# Altium PCB PWR12B15A.PcbDoc
Units mm, origin at the board's own origin, x right, y up, seen from the top; angles counter-clockwise.
Board outline 102.74 x 130.94 mm, 2 copper layers (Top Layer, Bottom Layer); 90 components, 54 nets, 224 pads, 10 vias.
Unrouted connection lines stored in the file: 5.
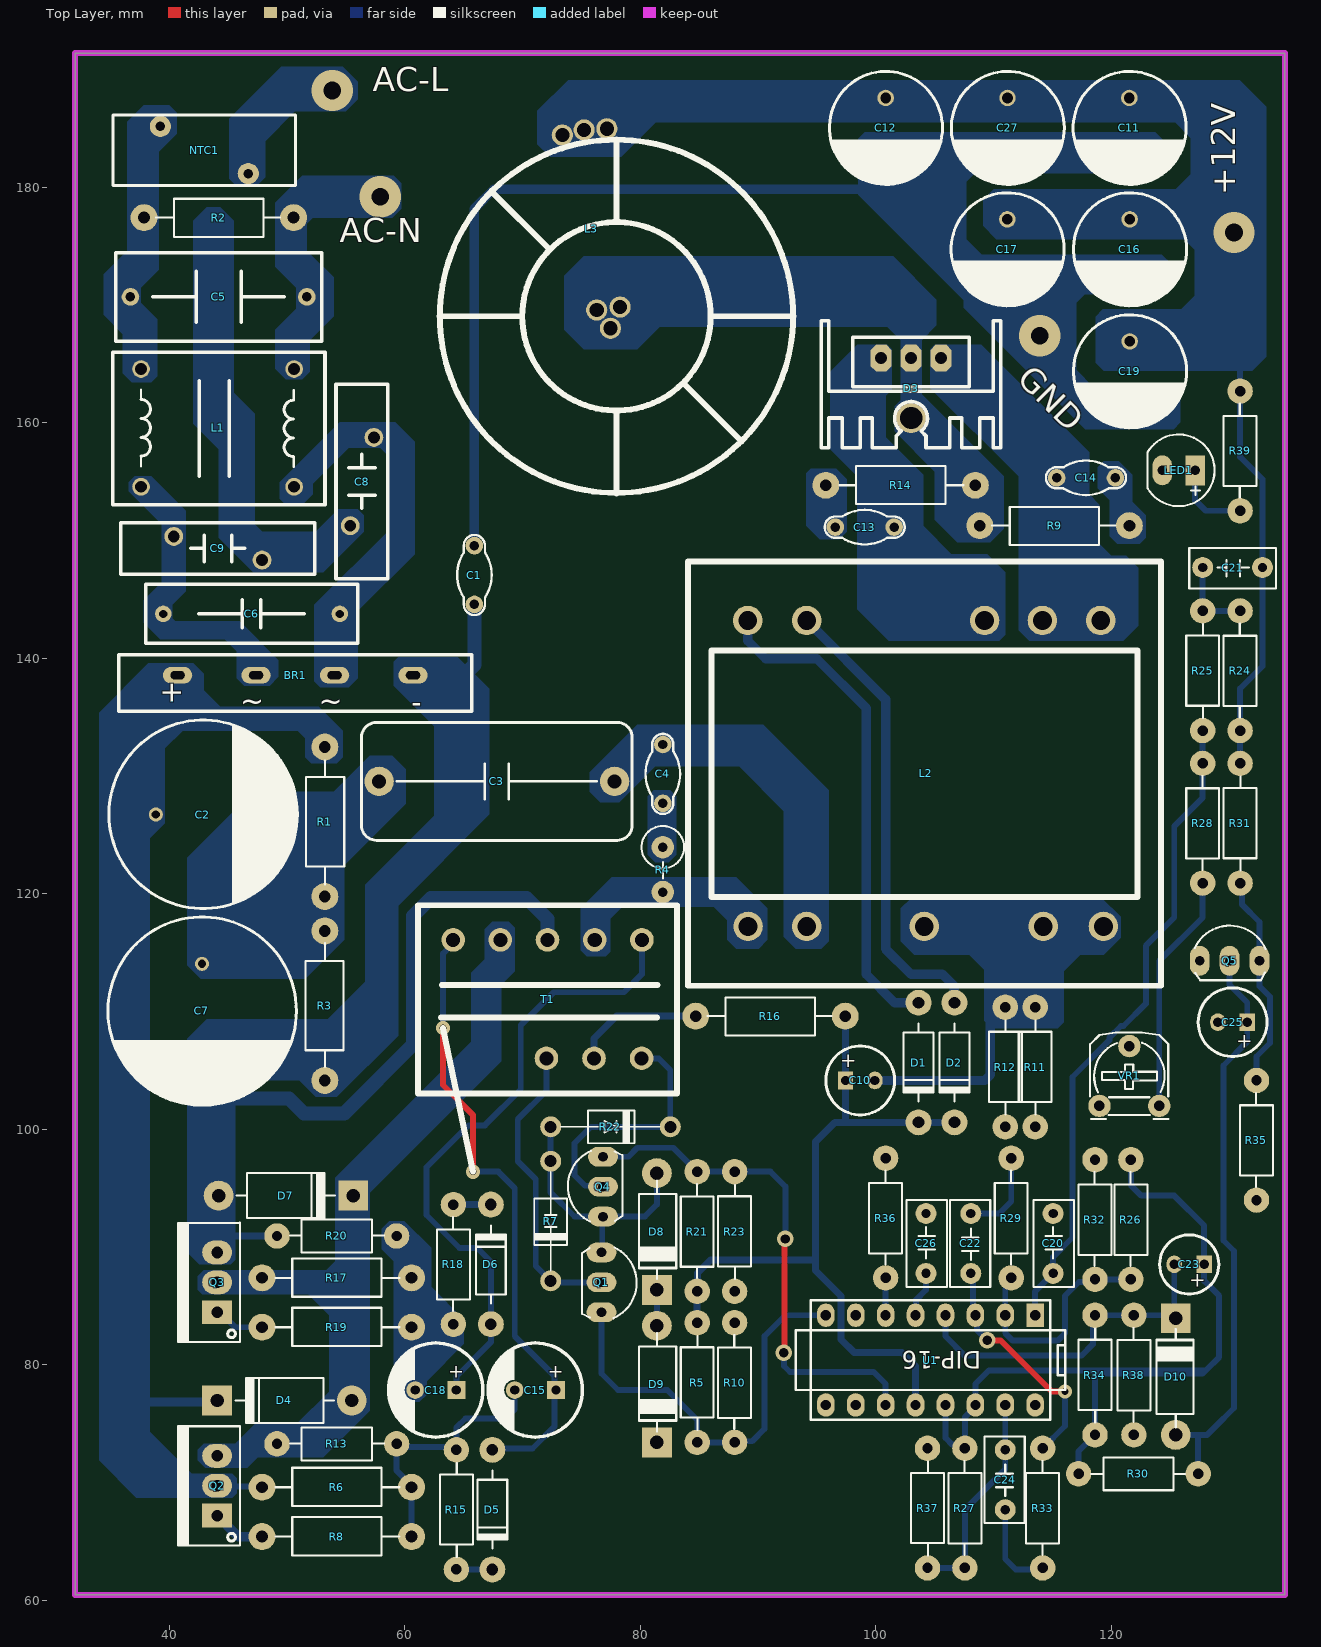
[diagram p0: Top Layer view]
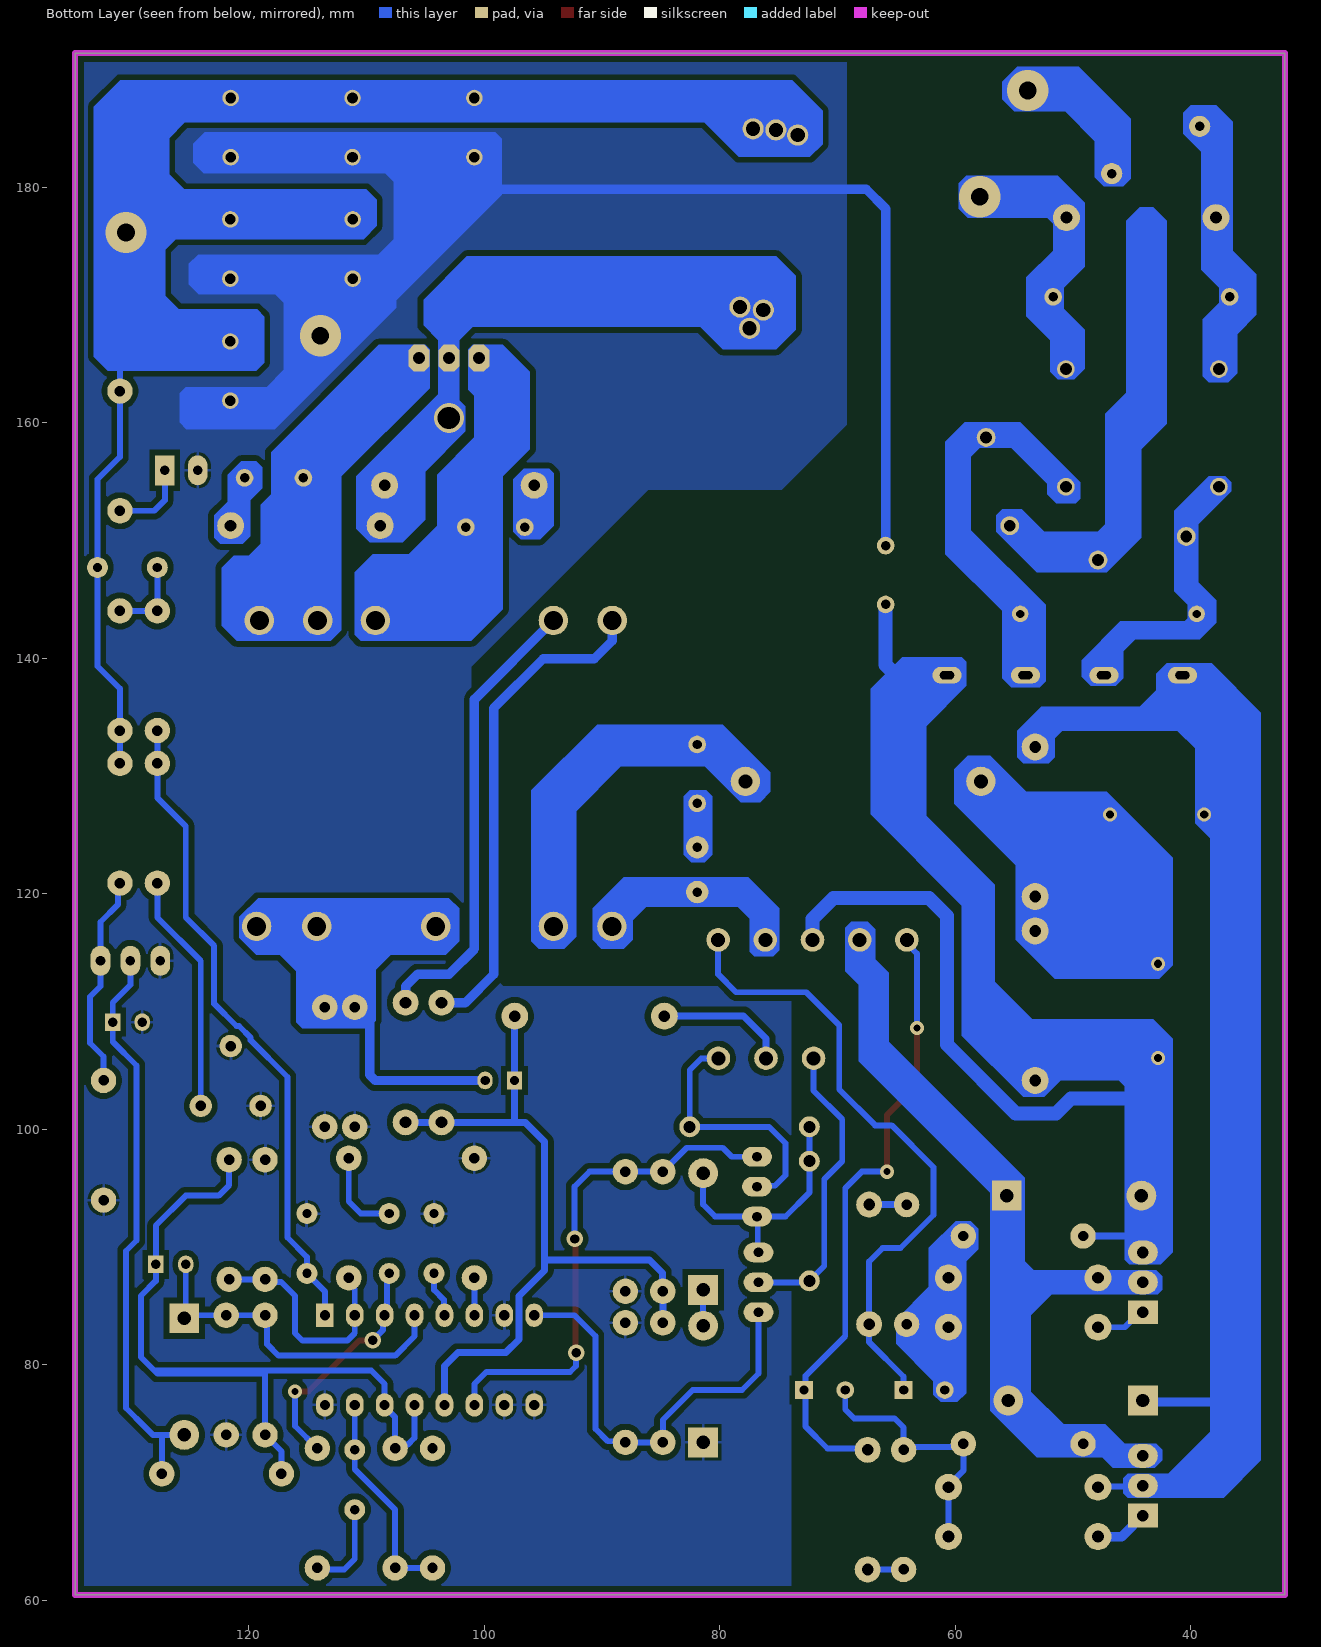
[diagram p1: Bottom Layer view, seen from below]
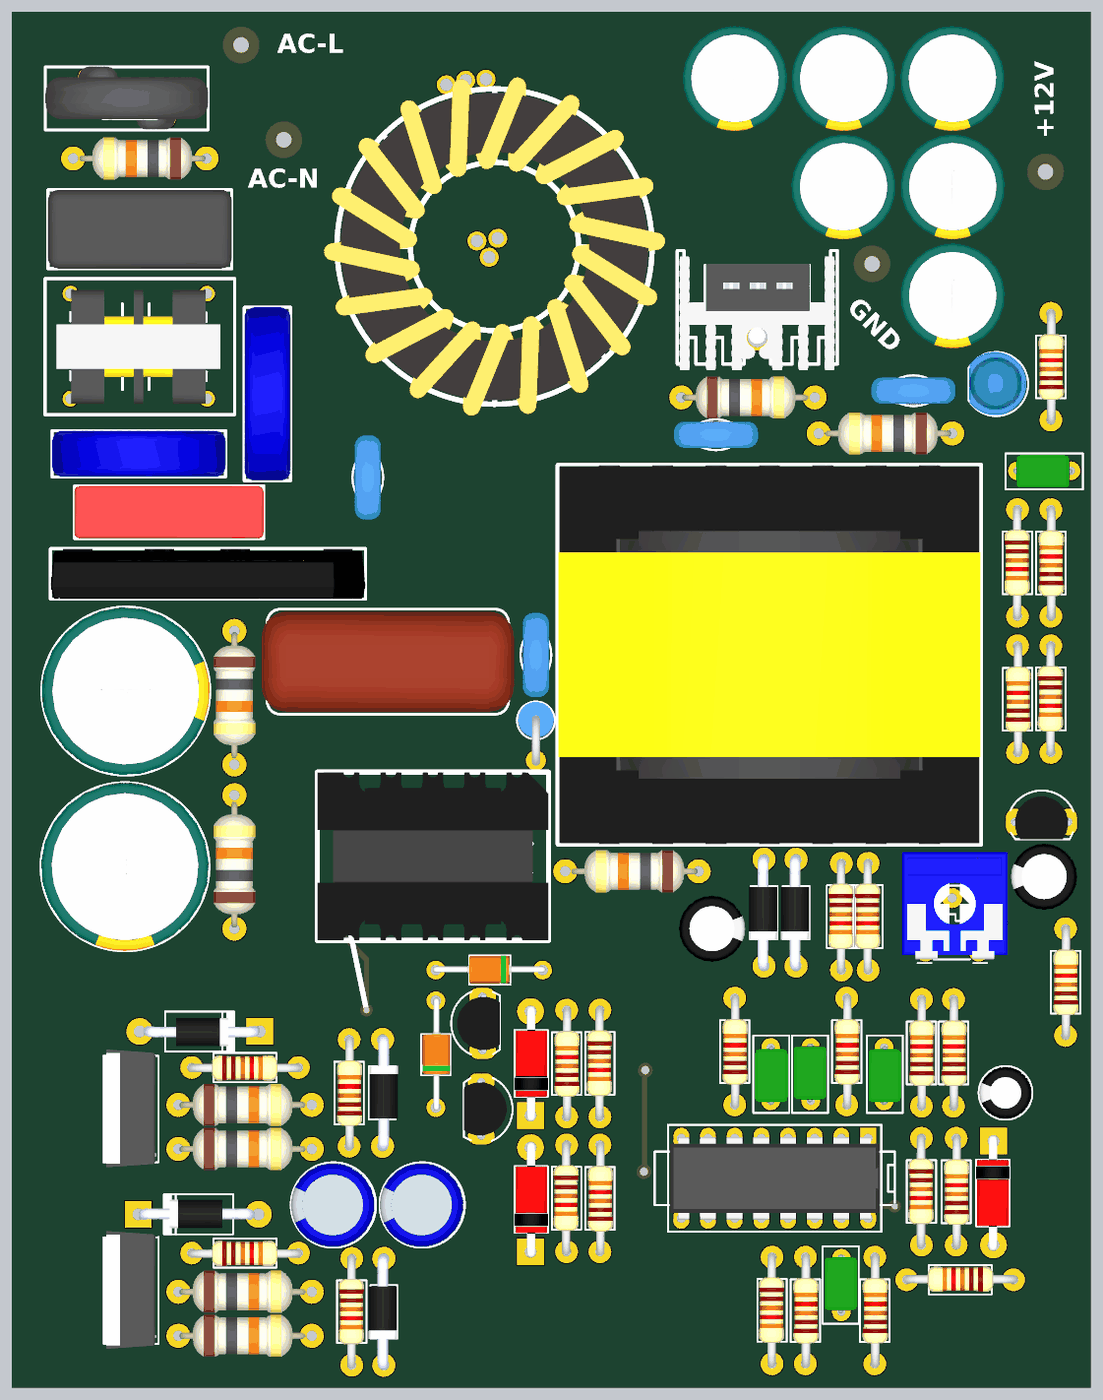
[diagram p2: 3D render of the assembled board from above, using the file's embedded part models]

## Layer stack, top to bottom
Top Solder: solder mask 0.0102, Solder Resist, Dk 3.5
Top Layer: signal copper 0.0356
Dielectric 1: dielectric 0.32, FR-4, Dk 4.8
Bottom Layer: signal copper 0.0356
Bottom Solder: solder mask 0.0102, Solder Resist, Dk 3.5

## Board outline
32.004,60.452 32.004,191.389 134.747,191.389 134.747,60.452

## Design rules (kind name [scope] priority, off if disabled: settings)
Clearance [All] p1: gap=0.5 ignorepadtopadclearanceinfootprint=FALSE
PolygonConnect [All] p1: connectstyle=Relief reliefconductorwidth=0.254 reliefentries=4 polygonreliefangle="90 Angle" airgapwidth=0.254
RoutingVias [All] p1: holewidth=0.711 width=1.27 viastyle="Through Hole" minholewidth=0.711 minwidth=1.27 maxholewidth=0.711 maxwidth=1.27
SolderMaskExpansion [All] p1: expansion=0.102 istentingtop=FALSE
Width [All] p1: maxlimit=1.8 minlimit=0.254 preferedwidth=0.254
30 further rules are at their usual default settings.

## Components (designator, comment, footprint, x,y, rotation, side; value= is the part's Value field where it differs from the comment)
BR1 "KBJ410" KDJ410 35.706,140.297 r90 top
C1 "103/1kV" JY103M_2KV 65.913,147.066 r90 top
C2 "220uF/250V" CAP-8MM 42.799,126.746 r0 top
C3 "105J/400V" CAP-POLY-22mm 67.818,129.54 r0 top
C4 "102/1kV" JY103M_2KV 81.915,130.175 r270 top
C5 "X2 0.22uF" "X2 0.22UF" 44.577,170.688 r270 top
C6 "X2 0.1uF" "X2 0.1UF" 46.99,143.764 r270 top
C7 "220uF/250V" CAP-8MM 42.799,110.109 r270 top
C8 "JNC222" MOV-14D 56.359,155.014 r90 top
C9 "JNC222" MOV-14D 44.122,149.323 r180 top
C10 "47uf/50V" C6mm 98.679,104.14 r0 top value=?
C11 "1000uF/16V" CAP-5MM 121.107,184.683 r270 top
C12 "1000uF/16V" CAP-5MM 100.406,184.683 r270 top
C13 "102/1kV" JY103M_2KV 99.06,151.13 r0 top
C14 "102/1kV" JY103M_2KV 117.856,155.321 r180 top
C15 "4.7uF/63V" CA-ALU-8R 71.092,77.851 r180 top value=104
C16 "1000uF/16V" CAP-5MM 121.133,174.371 r270 top
C17 "1000uF/16V" CAP-5MM 110.744,174.371 r270 top
C18 "4.7uF/63V" CA-ALU-8R 62.639,77.851 r180 top value=104
C19 "1000uF/16V" CAP-5MM 121.133,164.008 r270 top
C20 "2A222J" CN2-G 115.189,90.297 r270 top value=33pF
C21 "2A333J" CN2-G 130.302,147.574 r180 top value=33pF
C22 "2A103J" CN2-G 107.95,90.297 r90 top value=33pF
C23 "1uF/63V" C5mm 126.619,88.519 r180 top value=?
C24 "2A103J" CN2-G 110.871,70.231 r90 top value=33pF
C25 "47uf/50V" C6mm 130.302,109.093 r180 top value=?
C26 "2A102J" CN2-G 104.394,90.297 r270 top value=33pF
C27 "1000uF/16V" CAP-5MM 110.757,184.683 r270 top
D1 "FR107" DO41-1A 103.632,110.744 r90 top value=1N4007
D2 "FR107" DO41-1A 106.68,110.744 r90 top value=1N4007
D3 "MBR30100" QTO-220H3 105.537,165.481 r180 top
D4 "FR157" D2A 44.069,76.962 r0 top
D5 "1N4007" DO41-1A 67.437,72.771 r90 top
D6 "1N4007" DO41-1A 67.31,83.439 r270 top
D7 "FR157" D2A 55.626,94.361 r180 top
D8 "1N4148" DIO-2A 81.407,85.725 r90 top value=1N5007
D9 "1N4148" DIO-2A 81.407,72.771 r90 top value=1N5007
D10 "1N4148" DIO-2A 125.476,84.582 r270 top value=1N5007
L1 "INDUC-FILT" LF 43.955,159.131 r0 top
L2 "EE40" TRANSFOMER 104.191,130.48 r90 top
L3 "INDUC-FIL_DC" INDUCFIL_DC 77.876,169.037 r90 top
LED1 "LED" LED-5-BLUE 125.73,155.956 r180 top value="LED 3 ly Single Colour"
NTC1 "5D13" XD-13 42.926,183.134 r270 top
Q1 "C2633" TO92-123 76.708,86.995 r270 top value=C1815
Q2 "13009" QTO-220 44.069,67.183 r90 top value=TIP41
Q3 "13009" QTO-220 44.069,84.455 r90 top value=TIP41
Q4 "C2633" TO92-123 76.835,95.123 r90 top value=C1815
Q5 "C1815" TO92-123 130.048,114.3 r0 top
R1 "150K" R1W 53.213,132.461 r270 top value="R1W - 100"
R2 "820K" R1W 50.559,177.419 r180 top value="R1W - 100"
R3 "150K" R1W 53.213,104.14 r90 top value="R1W - 100"
R4 "100R" RES-1WD 81.915,122.301 r270 top value="R2W - 47"
R5 "3.9K" R1/2W 84.836,73.406 r90 top value="R1/4W - 1K"
R6 "300K" R1W 47.879,69.596 r0 top value="R1W - 100"
R7 "ZENNER" DIO-1A 72.39,97.282 r270 top
R8 "2.2R" R1W 47.879,65.405 r0 top value="R1W - 100"
R9 "100R" R1W 121.539,151.257 r180 top value="R1W - 100"
R10 "1.5K" R1/2W 88.011,83.566 r270 top value="R1/4W - 1K"
R11 "0.01R" R1/2W 113.538,100.203 r90 top value="R1/4W - 1K"
R12 "0.01R" R1/2W 110.998,100.203 r90 top value="R1/4W - 1K"
R13 "3.9K" R1/2W 59.309,73.279 r180 top value="R1/4W - 1K"
R14 "100R" R1W 95.758,154.686 r0 top value="R1W - 100"
R15 "15R" R1/2W 64.389,62.611 r90 top value="R1/4W - 1K"
R16 "1.5K" R1W 97.409,109.601 r180 top value="R1W - 100"
R17 "300K" R1W 47.879,87.376 r0 top value="R1W - 100"
R18 "15R" R1/2W 64.135,93.599 r270 top value="R1/4W - 1K"
R19 "2.2R" R1W 47.879,83.185 r0 top value="R1W - 100"
R20 "3.9K" R1/2W 59.309,90.932 r180 top value="R1/4W - 1K"
R21 "3.9K" R1/2W 84.836,96.393 r270 top value="R1/4W - 1K"
R22 "ZENNER" DIO-1A 72.39,100.203 r0 top
R23 "1.5K" R1/2W 88.011,86.233 r90 top value="R1/4W - 1K"
R24 "9.1K" R1/2W 130.937,144.018 r270 top value="R1/4W - 1K"
R25 "680R" R1/2W 127.762,133.858 r90 top value="R1/4W - 1K"
R26 "5.6K" R1/2W 121.666,97.409 r270 top value="R1/4W - 1K"
R27 "100K" R1/2W 107.569,72.898 r270 top value="R1/4W - 1K"
R28 "2.2K" R1/2W 127.762,131.064 r270 top value="R1/4W - 1K"
R29 "47K" R1/2W 111.506,97.536 r270 top value="R1/4W - 1K"
R30 "5.6K" R1/2W 117.221,70.739 r0 top value="R1/4W - 1K"
R31 "6.8K" R1/2W 130.937,120.904 r90 top value="R1/4W - 1K"
R32 "5.6K" R1/2W 118.618,97.409 r270 top value="R1/4W - 1K"
R33 "10K" R1/2W 114.173,72.898 r270 top value="R1/4W - 1K"
R34 "100K" R1/2W 118.618,74.041 r90 top value="R1/4W - 1K"
R35 "1.5K" R1/2W 132.334,104.14 r270 top value="R1/4W - 1K"
R36 "22K" R1/2W 100.838,97.536 r270 top value="R1/4W - 1K"
R37 "1.2K" R1/2W 104.394,62.738 r90 top value="R1/4W - 1K"
R38 "12K" R1/2W 121.92,84.201 r270 top value="R1/4W - 1K"
R39 "2.2K" R1/2W 130.937,162.687 r270 top value="R1/4W - 1K"
T1 "ISOLATE" TRANFOMER_ISOLATE 73.787,113.919 r90 top
U1 "TL494CJ" DIP16 104.641,80.389 r180 top
VR1 "1K" VR 118.999,101.981 r0 top value="VR 10K"

## Footprints (in the part's own frame and the unit in brackets; to place one, negate y for a bottom-side part, rotate by r counter-clockwise, add the part's x,y. Pads: shape width x height; smd on the part's side, far side on the other; paste and mask are expansions set on the pad)
C5mm [mm]
  rect 1.3x1.5 hole 0.8: 1(-1.27,0)
  oval 1.3x1.5 hole 0.8: 2(1.27,0)
  silkscreen extent -2.51,-2.51 2.51,2.51, body extent -2.5,-2.5 2.49,2.5, height 11.01
C6mm [mm]
  rect 1.3x1.5 hole 0.8: 1(-1.25,0)
  oval 1.3x1.5 hole 0.8: 2(1.25,0)
  silkscreen extent -2.92,-2.92 2.92,2.92, body extent -3.15,-3.15 3.13,3.15, height 11.51
CA-ALU-8R [mm] "Polarized capacitors, Aluminum Electrolytic Capacitors, 2-Leads, Body 8x16x3.5x0.5"
  rect 1.5x1.5 hole 0.8: 1(-1.75,0)
  round 1.5 hole 0.8: 2(1.75,0)
  silkscreen extent -4,-4 4,4, body extent -3.94,-4 4.05,4, height 16.5
CAP-5MM [mm]
  round 1.4 hole 0.9: 1(-2.896,0.432) 2(2.134,0.432)
  silkscreen extent -5.15,-4.34 4.44,5.26, body extent -5.36,-4.54 4.64,5.46, height 16.5
CAP-8MM [mm]
  round 1.2 hole 0.7: 1(-3.937,-0.025) 2(4.064,-0.025)
  silkscreen extent -7.92,-8 8.08,8, body extent -7.92,-8 8.08,8, height 26.5
CAP-POLY-22mm [mm]
  round 2.5 hole 1.2: 1(-10,0) 2(10,0)
  silkscreen extent -11.5,-5 11.5,5, body extent -12,-4.75 12,4.76, height 17.5
CN2-G [mil]
  round 70 hole 31: 1(-100,-5) 2(100,-5)
  silkscreen extent -145,-70 145,65, body extent -105,-65 115,60, height 300
D2A [mil] "Diode 2A, W 150mil, L 450mil"
  round 100 hole 45: 1(450,0)
  rect 100x100 hole 45: 2(0,0)
  silkscreen extent 61,-75 391,75, body extent 2,-51 436,55, height 109
DIO-1A [mil]
  round 70 hole 40: 1(0,0) 2(400,0)
  silkscreen extent 35,-55 365,55, body extent -11,-50 411,54, height 102
DIO-2A [mil] "Diode 2A, W 150mil, L 450mil"
  round 100 hole 45: 1(415,0)
  rect 100x100 hole 45: 2(25,0)
  silkscreen extent 61,-65 391,60, body extent 4,-65 436,61, height 113
DIP16 [mm]
  rect 1.5x2 hole 0.864: 1(-8.897,-3.812)
  oval 1.5x2 hole 0.864: 2(-6.357,-3.812) 3(-3.817,-3.812) 4(-1.277,-3.812) 5(1.263,-3.812) 6(3.803,-3.812) 7(6.343,-3.812) 8(8.883,-3.812) 9(8.883,3.808) 10(6.343,3.808) 11(3.803,3.808) 12(1.263,3.808) 13(-1.277,3.808) 14(-3.817,3.808) 15(-6.357,3.808) 16(-8.897,3.808)
  silkscreen extent -11.44,-5.08 11.42,5.08, body extent -10,-3.93 10,3.94, height 1.99
DO41-1A [mm] "Diode 1A, W 100mil, L 350mil"
  round 2.2 hole 1: 1(0,0) 2(-10.16,0)
  silkscreen extent -8.38,-1.27 -1.78,1.27, body extent -10.59,-1.24 0.43,1.46, height 3.28
INDUCFIL_DC [mm]
  round 1.8 hole 1.2: 1(-1.016,0.406) 2(0.533,1.575) 3(0.787,-0.406) 4(15.392,4.496) 5(15.824,2.642) 6(15.926,0.711)
  silkscreen extent -15.04,-15.14 15.04,14.94, body extent -16.09,-16.34 16.09,16.13, height 16.5
JY103M_2KV [mm]
  round 1.5 hole 0.8: 1(-2.5,0) 2(2.5,0)
  silkscreen extent -3.4,-1.47 3.4,1.47, body extent -4,-1.25 4,1.26, height 10.35
KDJ410 [mm]
  oval 1.4x2.5 hole 1.2 slot 0.7 at 0 deg: 1(-1.74,-5) 2(-1.74,-11.665) 3(-1.74,-18.33) 4(-1.74,-24.996)
  silkscreen extent -4.8,-30 0,0, body extent -4.8,-30 0,0, height 26.25
LED-5-BLUE [mil] "LED 2 PIN, 5 ly , Only colour, pin to pin 110mil"
  rect 65x100 hole 32: 1(-55,0)
  oval 65x100 hole 32: 2(55,0)
  silkscreen extent -120,-120 104,120, body extent -113,-120 100,117, height 339
LF [mm]
  round 1.5 hole 1: 1(-6.35,5.428) 2(-6.35,-4.572) 3(6.65,5.428) 4(6.65,-4.572)
  silkscreen extent -8.76,-6.1 9.27,6.86, body extent -7.67,-5.02 7.93,5.78, height 14.75
MOV-14D [mm]
  round 1.6 hole 1: 1(-3.757,0.987) 2(3.736,-1.019)
  silkscreen extent -8.25,-2.2 8.25,2.2, body extent -8.25,-2.2 8.25,2.2, height 20
QTO-220 [mil] "TO-220 - 1-2-3"
  rect 80x100 hole 39: 1(0,0)
  oval 80x100 hole 39: 2(100,0) 3(200,0)
  silkscreen extent -100,-76 300,130, body extent -119,-64 322,121, height 755
QTO-220H3 [mil] "TO-220 1-2-3"
  oct 70x90 hole 40: 1(0,0) 2(100,0) 3(200,0)
  round 100 hole 75: 2(100,200)
  silkscreen extent -200,-125 400,300, body extent -190,-102 392,323, height 984
R1/2W [mil] "R 1/2W, 2 pin, 300mil"
  round 85 hole 35: 1(0,0) 2(400,0)
  silkscreen extent 42,-55 356,55, body extent -12,-45 414,49, height 91
R1W [mil] "R 1W, 2 pin, 500mil"
  round 90 hole 39.37: 1(0,0) 2(500,0)
  silkscreen extent 46,-63 460,65, body extent 4,-79 478,79, height 157
RES-1WD [mm]
  round 1.905 hole 0.8: 1(-1.651,0) 2(2.159,0)
  silkscreen extent -3.45,-1.8 1.02,1.8, body extent -3.43,-1.7 2.67,1.7, height 12.65
TO92-123 [mil] "TO-92"
  oval 66x100 hole 32: 1(-100,0) 2(0,0) 3(100,0)
  silkscreen extent -117,-65 120,118, body extent -109,-66 109,95, height 245
TRANFOMER_ISOLATE [mm]
  round 2 hole 1.2: 1(-7.899,1.753) 2(-7.899,-2.286) 3(-7.899,-6.325) 4(2.159,-6.35) 5(2.159,-2.343) 6(2.159,1.664) 7(2.159,5.671) 8(2.159,9.677)
  silkscreen extent -10.9,-9.32 5.1,12.68, body extent -10.9,-9.32 5.1,12.68, height 17
TRANSFOMER [mm]
  round 2.5 hole 1.6: 1(-13.259,15.037) 2(-13.259,10.058) 3(-13.259,0.076) 4(-13.259,-10.033) 5(-13.259,-15.138) 6(12.725,-14.91) 7(12.725,-9.957) 8(12.725,-5.055) 9(12.725,10.058) 10(12.725,15.062)
  silkscreen extent -18.3,-20.05 17.74,20.15, body extent -18.3,-20.05 17.74,20.15, height 32.94
VR [mil] "Resistor Variable"
  round 75 hole 35: 1(0,0) 2(100,200) 3(200,0)
  silkscreen extent -31,-44 231,246, body extent -87,-30 307,372, height 165
"X2 0.1UF" [mm]
  round 1.4 hole 0.7: 1(0,7.493) 2(0,-7.493)
  silkscreen extent -2.5,-9 2.5,9, body extent -2.5,-9 2.5,9, height 11
"X2 0.22UF" [mm]
  round 1.5 hole 0.8: 1(0,7.112) 2(0,-7.874)
  silkscreen extent -3.75,-9.12 3.75,8.38, body extent -3.75,-9.12 3.75,8.38, height 14
XD-13 [mm]
  round 1.8 hole 0.8: 1(1.981,3.785) 2(-2.032,-3.683)
  silkscreen extent -3,-7.72 3,7.78, body extent -3.03,-7.7 2.97,7.8, height 20.5

## Part data
BR1: library part DIODE-BRIDGE
C1 C4 C13 C14: library part CAP, "Cap often used"
C2 C7 C11 C12 C16 C17 C19 C27: library part CAP-ELEC
C3: library part CAP-POLY, "CAP-POLY"
C5 C6: library part CAP_MKP
C8 C9: library part MOV
C10 C23 C25: library part CAP-Radial, "CAP-Radial", LatestRevisionDate=17-Jul-2002, LatestRevisionNote="Re-released for DXP Platform.", PackageReference=POLAR0.8, Published=8-Jun-2000, Publisher="Altium Limited"
C15 C18: library part CAP-ALU-DIP, "CAP-ALU-DIP", LatestRevisionDate=17-Jul-2002, LatestRevisionNote="Re-released for DXP Platform.", PackageReference=C1206, Publisher="Altium Limited"
C20 C21 C22 C24 C26: library part CAP-gom, "CAP-gom"
D1 D2 D5 D6: library part "Diode  1N4007", "Diode 1A"
D3: library part MBRF20200C, "DIODE Schottky Barrier / Power / RECTIFIERS / 20 AMPERES / 200 VOLTS"
D4 D7: library part "Diode Normal", "Diode Normal", Code_JEDEC=DO-204-AH, ComponentLink1Description="Manufacturer Link", ComponentLink1URL=http://www.fairchildsemi.com/, ComponentLink2Description=Datasheet, ComponentLink2URL=http://www.fairchildsemi.com/ds/1N%2F1N4448.pdf, DatasheetDocument=1997, LatestRevisionDate=17-Jul-2002, LatestRevisionNote="Re-released for DXP Platform.", PackageReference=DO-35, Published=8-Jun-2000, Publisher="Altium Limited"
D8 D9 D10: library part Diode, "Default Diode", Code - JEDEC=DO-214-AB, Published=8-Jun-2000, Publisher="Altium Limited", Revision="July-2002: Re-released for DXP Platform."
L2: library part TRANSFOMER
LED1: "LED Single colour Green and Red"
NTC1: library part NTC
Q1 Q4 Q5: library part 2SC1815, "NPN 600mW, ECB"
Q2 Q3: library part NPN_BCE, "P 1W, BCE"
R1 R2 R3 R6 R8 R9 R14 R16 R17 R19: library part R1W, "Resistor 1W"
R4: library part R2W, "Resistor 2W"
R5 R10 R11 R12 R13 R15 R18 R20 R21 R23 R24 R25 R26 R27 R28 R29 R30 R31 R32 R33 R34 R35 R36 R37 R38 R39: library part R1/4W, "Resistor 1/4W"
R7 R22: library part "DIODE Zener", "Zenner"
T1: library part TRANSFOMER-ISOLATE
U1: "Pulse-Width-Modulation Control Circuit", ComponentLink1Description="Manufacturer Link", ComponentLink1URL=http://www.ti.com/, DatasheetVersion=Oct-1988, LatestRevisionDate=06-Jun-2005, LatestRevisionNote="Stylized 3D Model Added.", PackageDescription="DIP; 16 Leads; Row Spacing 7.62 mm; Pitch 2.54 mm", PackageReference=J016, PackageVersion=Jun-1999, Published=15-Apr-2002, Publisher="Altium Limited"
VR1: library part VR, "Var Resistor"

## Via types
v1: diameter 3.5, hole 1.5, Top Layer to Bottom Layer, 4 vias
v2: diameter 1.2, hole 0.6, Top Layer to Bottom Layer, tented both sides, 3 vias
v3: diameter 1.4, hole 0.8, Top Layer to Bottom Layer, tented both sides, 3 vias

## Nets (pads, with @x,y where several pads share a name; then routed paths per layer and width w, separated by ;. In a path a pad name is that pad's centre, name@x,y a point inside that pad or via, vN(x,y) a via of type N, cw(c..) or ccw(c..) an arc to the next point about the centre after c; other vN are vias at no path point)
4_TL494: C25.1 D10.1 Q5.2 R30.2 | length 49
  Bottom Layer w0.5: D10.1 127.381,74.041 ; R30.2 127.381,74.041 ; Q5.2 130.048,112.268 131.552,110.764 C25.1 131.552,107.422 129.54,105.41 129.54,90.551 130.429,89.662 130.429,76.327 128.778,74.676 128.143,74.041 127.381,74.041
+12V: C11.1 C12.1 C16.1 C17.1 C19.1 C21.1 C27.1 L3.4 L3.5 L3.6 R24.2 R31.2 R39.1 | length 36.2
  Bottom Layer w0.5: R31.2 R24.2 130.937,137.414 132.842,139.319 C21.1 132.842,155.194 130.937,157.099 R39.1 130.937,165.636
  other v1: 130.429,176.149
+310V: BR1.1 C2.1 D4.2 Q2.2 R1.1 R6.1 | length 11.8
  Bottom Layer w0.5: Q2.2 44.133,69.659 47.816,69.659 R6.1
  Bottom Layer w0.8: 36.195,76.835 43.942,76.835 D4.2
AC-L: NTC1.1
  other v1: 53.848,188.214
AC-N: C5.1 L1.3 R2.1
  other v1: 57.912,179.197
EARTH: C8.1 C9.1
GND_IN: BR1.4 C1.1 C7.2 D7.1 Q3.3 R3.1 R20.2 T1.6 | length 58.4
  Bottom Layer w0.5: BR1.4 BR1.4@61.251,138.557
  Bottom Layer w0.6: Q3.3 45.466,90.932 R20.2
  Bottom Layer w1.2: 43.7,102.616 50.165,102.616 51.435,101.346 54.864,101.346 60.706,107.188 60.706,118.11 62.23,119.634 70.345,119.634 72.123,117.856 T1.6 ; 64.77,138.303 65.913,139.446 C1.1
GND_OUT: C1.2 C11.2 C12.2 C16.2 C17.2 C19.2 C20.1 C25.2 C26.1 C27.2 D9.2 LED1.2 Q5.1 R10.1 R11.1 R12.1 R23.1 R32.1 R35.2 R36.1 R38.2 U1.7 U1.9 U1.10 U1.16 VR1.1 VR1.2 | length 64.5
  Bottom Layer w0.8: C1.2 65.913,178.181 67.564,179.832 101.09,179.832
  other v1: 113.919,167.386
GND_PRI: C10.2 L2.3 L2.4 L2.5 R11.2 R12.2 R37.2 | length 16.3
  Bottom Layer w0.8: C10.2 109.259,104.14 109.728,104.609 109.728,109.093 R12.2
IN1+: C20.2 R25.1 R28.1 U1.1 | length 55.7
  Bottom Layer w0.5: U1.1 113.538,86.233 C20.2 115.062,89.154 116.713,90.805 116.713,104.431 119.837,107.554 119.837,107.766 120.834,108.763 121.046,108.763 122.936,110.654 122.936,115.57 125.349,117.983 125.349,125.73 127.762,128.143 R28.1 R25.1
NetBR1_2: BR1.2 C6.2 C9.2 L1.2
NetBR1_3: BR1.3 C6.1 C8.2 L1.4
NetC2_2: C2.2 C3.1 C7.1 R1.2 R3.2
NetC3_2: C3.2 C4.1 L2.2
NetC4_2: C4.2 R4.1
NetC5_2: C5.2 L1.1 NTC1.2 R2.2
NetC13_1: C13.1 R14.1
NetC13_2: C13.2 D3.3 L2.8
NetC14_1: C14.1 R9.1
NetC14_2: C14.2 D3.1 L2.6 L2.7
NetC15_1: C15.1 D5.1 T1.8 | length 53.1
  Top Layer w0.5: v2(63.246,108.585) 63.246,103.759 65.786,101.219 v2(65.786,96.393)
  Bottom Layer w0.5: v2(63.246,108.585) 63.246,114.908 64.11,115.772 T1.8 ; v2(65.786,96.393) 67.945,96.393 69.342,94.996 69.342,82.423 72.707,79.058 72.707,77.986 C15.1 72.707,77.716 72.707,74.739 70.849,72.881 67.547,72.881 D5.1
NetC15_2: C15.2 R6.2 R8.2 R13.1 R15.2 | length 22.8
  Bottom Layer w0.5: R8.2 R6.2 60.579,69.733 59.309,71.003 R13.1 59.563,73.025 64.135,73.025 R15.2 64.389,74.676 65.151,75.438 68.58,75.438 69.342,76.2 C15.2
NetC18_1: C18.1 D6.1 T1.4 | length 54.5
  Bottom Layer w0.5: C18.1 64.389,78.994 67.31,81.915 D6.1 67.31,88.773 66.167,89.916 64.643,89.916 61.849,92.71 61.849,96.774 65.405,100.33 66.802,100.33 69.85,103.378 69.85,108.839 72.644,111.633 78.613,111.633 80.137,113.157 T1.4
NetC18_2: C18.2 R17.2 R18.2 R19.2 R20.1
NetC21_2: C21.2 R24.1 R25.2 | length 6.9
  Bottom Layer w0.5: C21.2 R25.2 R24.1
NetC22_1: C22.1 R33.1 U1.3 | length 20.2
  Top Layer w0.5: v3(109.474,82.072) 110.587,82.072 114.935,77.724 v2(116.078,77.724)
  Bottom Layer w0.5: C22.1 108.267,87.566 U1.3@108.267,84.201 ; U1.3 108.587,84.072 108.587,82.959 v3(109.474,82.072) ; R33.1 116.078,74.803 v2(116.078,77.724)
NetC22_2: C22.2 R29.1 | length 7.5
  Bottom Layer w0.5: C22.2 110.49,92.837 111.506,93.853 R29.1
NetC23_1: C23.1 R26.1 R27.1 R30.1 R34.1 U1.13 U1.14 | length 72.4
  Bottom Layer w0.5: U1.13 105.918,73.787 106.49,73.215 107.252,73.215 R27.1 107.569,75.538 108.458,76.427 U1.14 108.458,78.359 109.601,79.502 128.016,79.502 ; R30.1 117.221,72.644 R34.1 118.618,79.248 127.762,79.248 128.016,79.502 ; R26.1 121.666,95.25 122.555,94.361 125.349,94.361 127.889,91.821 C23.1 127.889,87.122 129.159,85.852 129.159,80.645 128.016,79.502
NetC23_2: C23.2 D10.2 R34.2 R38.1 U1.4 | length 29.3
  Bottom Layer w0.5: U1.4 105.918,82.423 107.569,80.772 117.475,80.772 118.44,81.737 118.44,84.023 R34.2 R38.1 125.222,84.201 D10.2@125.349,84.074 ; C23.2 D10.2@125.349,84.074 ; D10.2 D10.2@125.349,84.074
NetC24_1: C24.1 R33.2 | length 7.8
  Bottom Layer w0.5: C24.1 110.998,63.5 111.887,62.611 114.046,62.611 R33.2
NetC24_2: C24.2 R27.2 R37.1 U1.15 | length 18.4
  Bottom Layer w0.5: R37.1 R27.2 107.569,67.691 110.998,71.12 U1.15
NetC26_2: C26.2 U1.5 | length 3.9
  Bottom Layer w0.5: U1.5 103.429,84.252 103.429,85.522 104.267,86.36 C26.2
NetD1_1: D1.1 L2.10 | length 42.4
  Bottom Layer w0.8: L2.10 89.129,141.478 90.653,139.954 94.996,139.954 99.187,135.763 99.187,113.157 101.6,110.744 D1.1 ; D1.1@104.139,110.745 D1.1@104.267,110.617
NetD2_1: D2.1 L2.9 | length 39.2
  Bottom Layer w0.8: L2.9 100.838,136.5 100.838,115.316 102.997,113.157 105.664,113.157 106.68,112.141 D2.1
NetD3_2: D3.2 L3.1 L3.2 L3.3 R9.2 R14.2
NetD4_1: D4.1 D7.2 Q2.3 Q3.2 R13.2 R17.1 T1.7
NetD5_2: D5.2 R15.1 | length 3
  Bottom Layer w0.5: R15.1 D5.2
NetD6_2: D6.2 R18.1 | length 3.2
  Bottom Layer w0.6: R18.1 D6.2
NetD8_2: D8.2 D9.1 | length 3
  Bottom Layer w0.5: D9.1 D8.2
NetLED1_1: LED1.1 R39.2 | length 6.7
  Bottom Layer w0.5: LED1.1 127.127,153.416 128.016,152.527 R39.2
NetQ1_2: Q1.2 R7.2 T1.1 | length 25.4
  Bottom Layer w0.5: T1.1 72.034,103.276 69.596,100.838 69.596,97.282 71.125,95.753 71.125,88.387 R7.2 72.517,86.995 Q1.2
NetQ2_1: Q2.1 R8.1 | length 4.7
  Bottom Layer w0.8: Q2.1 44.323,67.183 44.939,66.567 44.939,66.313 45.847,65.405 R8.1
NetQ3_1: Q3.1 R19.1 | length 4.3
  Bottom Layer w0.5: Q3.1 44.323,84.455 45.593,83.185 R19.1
NetQ5_3: Q5.3 R31.1 R35.1 | length 18.3
  Bottom Layer w0.5: R31.1 131.115,120.726 131.115,119.075 132.588,117.602 132.588,112.141 133.477,111.252 133.477,107.315 132.334,106.172 R35.1
NetR16_2: R16.2 T1.2 | length 11.1
  Bottom Layer w0.6: T1.2 76.073,107.696 77.978,109.601 R16.2
NetR26_2: R26.2 R29.2 R32.2 U1.2 | length 19.9
  Bottom Layer w0.5: R29.2 111.506,86.927 110.998,86.419 U1.2 110.998,82.677 111.633,82.042 115.443,82.042 116.078,82.677 116.078,85.852 117.253,87.027 118.396,87.027 R32.2 R26.2
NetR28_2: R28.2 VR1.3 | length 20.4
  Bottom Layer w0.5: VR1.3 124.079,114.3 127.762,117.983 R28.2
NetR36_2: R36.2 U1.6 | length 3.2
  Bottom Layer w0.5: U1.6 R36.2
OUT1: Q1.3 R5.1 R10.2 U1.8 | length 36.9
  Bottom Layer w0.5: Q1.3 76.708,79.248 78.105,77.851 82.296,77.851 84.836,75.311 R5.1 R10.2 88.106,73.501 89.503,73.501 90.551,74.549 90.551,82.423 92.329,84.201 U1.8
OUT2: Q4.3 R21.1 R23.2 U1.11 | length 43.5
  Top Layer w0.5: v3(92.202,81.026) 92.266,81.09 92.266,90.614 v3(92.329,90.678)
  Bottom Layer w0.5: Q4.3 78.994,97.663 79.756,98.425 82.804,98.425 R21.1 R23.2 91.059,96.393 92.329,95.123 v3(92.329,90.678) ; v3(92.202,81.026) 92.202,79.883 92.71,79.375 99.822,79.375 100.838,78.359 U1.11
OUT_2ISO: Q4.2 R22.2 T1.3 | length 21.9
  Bottom Layer w0.5: Q4.2 76.758,95.2 75.311,95.2 74.422,96.089 74.422,98.806 75.819,100.203 R22.2 82.55,105.029 81.569,106.01 80.121,106.01 T1.3
PULL: D8.1 Q1.1 Q4.1 R7.1 R22.1 | length 21.6
  Bottom Layer w0.5: R22.1 R7.1 72.39,94.615 74.422,92.583 Q4.1 ; Q1.1 76.772,89.599 76.772,92.52 Q4.1 ; D8.1 81.407,93.599 80.391,92.583 Q4.1
SWI: L2.1 R4.2 T1.5
VCC_TL494: C10.1 D1.2 D2.2 R5.2 R16.1 R21.2 U1.12 | length 64.5
  Bottom Layer w0.6: R5.2 R21.2 84.874,86.271 84.874,87.795 85.979,88.9 94.869,88.9 ; R16.1 97.419,109.591 97.419,104.15 C10.1 97.429,100.584 ; U1.12 103.378,79.883 102.235,81.026 98.171,81.026 97.048,82.149 97.048,85.832 94.869,88.011 94.869,88.9 ; D2.2 D1.2 97.429,100.584 ; 94.869,88.9 94.869,98.933 96.52,100.584 97.429,100.584

## Polygon pours and split planes (outlines as drawn)
GND_OUT on Bottom Layer "GND_OUT_L02_P000" (solid, remove dead copper, pour order 0): 69.215,191.389 69.215,159.817 74.727,154.305 86.081,154.305 101.092,139.294 101.092,114.833 98.4,112.141 75.057,112.141 73.914,110.998 73.914,60.452 134.747,60.452 134.747,191.389

## Keep-outs
Keep-Out Layer:
  the board outline again, w0.5

## Other copper
Bottom Layer:
  region net GND_PRI: 102.108,118.745 102.997,119.634 119.202,119.634 120.802,118.034 120.802,116.256 119.355,114.808 117.348,114.808 115.951,113.411 115.951,109.093 115.443,108.585 109.855,108.585 109.22,109.22 109.22,113.538 107.95,114.808 103.251,114.808 102.108,115.951
  region net AC-L: 48.133,180.848 48.133,183.896 50.673,186.436 54.991,186.436 56.007,187.452 56.007,188.976 54.737,190.246 49.53,190.246 45.085,185.801 45.085,180.721 45.72,180.086 47.371,180.086
  region net NetC14_2: 121.031,141.478 122.301,142.748 122.301,147.701 121.285,148.717 120.015,148.717 118.999,149.733 118.999,153.035 118.11,153.924 118.11,157.48 108.966,166.624 105.029,166.624 104.648,166.243 104.648,162.941 112.141,155.448 112.141,142.367 113.03,141.478
  region net NetC13_2: 110.998,141.986 110.998,147.32 109.474,148.844 106.426,148.844 104.013,151.257 104.013,155.575 100.838,158.75 100.838,162.306 101.346,162.814 101.346,166.243 100.965,166.624 98.425,166.624 96.139,164.338 96.139,157.734 98.425,155.448 98.425,144.145 101.092,141.478 110.49,141.478
  region net NetD4_1: 69.342,113.411 68.199,112.268 68.199,105.791 57.023,94.615 57.023,83.947 56.451,83.375 53.34,86.487 53.34,88.011 54.102,88.773 54.102,95.885 65.659,107.442 65.659,113.284 66.802,114.427 66.802,116.967 67.437,117.602 68.834,117.602 69.342,117.094
  region net NetD4_1: 46.609,71.247 47.498,72.136 53.086,72.136 57.023,76.073 57.023,84.328 53.34,88.011 42.926,88.011 42.418,87.503 42.418,86.36 42.799,85.979 51.816,85.979 53.594,84.201 53.594,77.724 50.8,74.93 47.244,74.93 45.593,73.279 42.926,73.279 42.418,72.771 42.418,71.882 43.053,71.247
  region net NetC18_2: 58.674,92.202 59.944,92.202 62.23,89.916 62.23,86.614 65.024,83.82 65.024,81.788 61.849,78.613 61.849,77.47 61.214,76.835 59.817,76.835 59.055,77.597 59.055,88.773 58.039,89.789 58.039,91.567
  region net SWI: 90.043,115.316 90.805,116.078 90.805,118.745 88.138,121.412 77.597,121.412 74.93,118.745 74.93,115.189 75.438,114.681 77.089,114.681 77.47,115.062 77.47,117.856 78.486,118.872 86.233,118.872 87.376,117.729 87.376,116.078 88.138,115.316
  region net GND_IN: 67.183,126.746 67.183,137.414 64.516,140.081 59.436,140.081 59.055,139.7 59.055,137.668 62.484,134.239 62.484,126.619 56.642,120.777 56.642,112.522 53.467,109.347 43.18,109.347 41.529,107.696 41.529,89.535 42.545,88.519 45.212,88.519 45.593,88.9 45.593,103.632 46.101,104.14 51.054,104.14 52.451,102.743 54.229,102.743 59.436,107.95 59.436,118.999
  region net NetC4_2: 80.645,123.317 81.28,122.682 82.423,122.682 83.058,123.317 83.058,128.27 82.55,128.778 81.153,128.778 80.645,128.27
  region net NetC3_2: 78.232,127.762 81.28,130.81 88.392,130.81 92.202,127 92.202,116.332 93.218,115.316 95.377,115.316 96.012,115.951 96.012,128.778 90.424,134.366 79.756,134.366 75.692,130.302 75.692,128.651 76.581,127.762
  region net +310V: 42.926,137.287 44.323,135.89 45.466,135.89 52.705,135.89 54.737,133.858 54.737,131.572 54.229,131.064 52.07,131.064 51.562,131.572 51.562,133.223 50.927,133.858 41.148,133.858 39.624,132.334 39.624,125.984 38.354,124.714 38.354,74.295 41.91,70.739 45.339,70.739 45.72,70.358 45.72,69.088 45.339,68.707 37.211,68.707 34.036,71.882 34.036,135.382 38.227,139.573 42.037,139.573 42.926,138.684
  region net NetC2_2: 41.529,113.919 42.672,112.776 51.562,112.776 54.864,116.078 54.864,122.428 60.071,127.635 60.071,130.556 58.928,131.699 57.023,131.699 53.975,128.651 47.117,128.651 41.529,123.063
  region net GND_OUT: 125.349,163.017 125.857,162.509 125.857,160.04 125.321,159.461 117.78,159.461 107.493,169.748 107.493,170.383 98.501,179.375 98.501,184.099 99.085,184.683 123.723,184.683 124.714,183.693 124.714,182.067 123.825,181.178 108.407,181.178 107.696,180.467 107.696,175.59 109.017,174.269 124.308,174.269 125.095,173.482 125.095,171.78 124.231,170.917 117.729,170.917 117.018,170.205 117.018,164.49 118.491,163.017
  region net +12V: 71.272,186.512 73.863,189.103 130.912,189.103 133.172,186.842 133.172,165.608 131.978,164.414 119.355,164.414 118.669,165.1 118.669,169.012 119.278,169.621 125.959,169.621 127.102,170.764 127.102,174.676 126.187,175.59 110.236,175.59 109.118,176.708 109.118,178.918 110.007,179.807 125.476,179.807 126.771,181.102 126.771,184.175 125.451,185.496 81.305,185.496 78.384,182.575 72.339,182.575 71.272,183.642
  region net NetD3_2: 102.108,167.005 100.965,168.148 81.661,168.148 79.756,166.243 75.184,166.243 73.533,167.894 73.533,172.466 75.184,174.117 79.121,174.117 101.473,174.117 105.156,170.434 105.156,168.275 103.886,167.005 103.886,165.735 102.108,165.735
  region net NetD3_2: 110.871,151.003 110.871,155.448 103.886,162.433 103.886,163.576 103.886,166.243 102.108,166.243 102.108,161.925 101.6,161.417 101.6,159.258 105.029,155.829 105.029,151.765 106.934,149.86 109.728,149.86
  region net NetC14_1: 120.65,156.718 121.793,155.575 121.793,153.289 122.936,152.146 122.936,150.241 122.428,149.733 120.523,149.733 119.888,150.368 119.888,153.416 118.872,154.432 118.872,156.21 119.38,156.718
  region net NetC13_1: 94.488,156.083 96.647,156.083 97.536,155.194 97.536,150.749 96.901,150.114 95.25,150.114 94.107,151.257 94.107,155.702
  region net EARTH: 56.515,152.146 56.515,150.749 53.086,147.32 47.117,147.32 44.196,150.241 44.196,157.734 42.037,159.893 42.037,177.165 43.18,178.308 44.323,178.308 45.466,177.165 45.466,162.56 47.244,160.782 47.244,151.384 47.879,150.749 52.451,150.749 54.356,152.654 56.007,152.654
  region net NetBR1_3: 49.403,153.543 49.403,154.94 54.483,160.02 59.182,160.02 60.833,158.369 60.833,148.844 56.007,144.018 56.007,138.303 55.245,137.541 52.832,137.541 52.324,138.049 52.324,144.526 58.674,150.876 58.674,157.099 57.912,157.861 55.245,157.861 52.197,154.813 52.197,153.924 51.435,153.162 49.784,153.162
  region net NetBR1_2: 37.084,155.448 38.481,155.448 41.402,152.527 41.402,145.669 40.259,144.526 40.259,143.383 40.513,143.129 45.974,143.129 49.276,139.827 49.276,138.43 48.514,137.668 46.355,137.668 45.72,138.303 45.72,140.589 44.704,141.605 39.243,141.605 37.846,143.002 37.846,144.907 39.37,146.431 39.37,151.384 36.576,154.178 36.576,154.94
  region net AC-N: 52.197,177.419 51.689,176.911 51.689,174.625 53.975,172.339 53.975,169.037 51.943,167.005 51.943,164.338 51.308,163.703 49.911,163.703 49.022,164.592 49.022,167.894 50.8,169.672 50.8,171.45 49.022,173.228 49.022,178.689 51.308,180.975 59.055,180.975 59.69,180.34 59.69,178.181 58.928,177.419
  region net NetC5_2: 38.481,163.449 38.989,163.957 38.989,168.783 37.592,170.18 37.592,171.45 39.116,172.974 39.116,183.007 40.64,184.531 40.64,186.309 40.005,186.944 37.846,186.944 36.449,185.547 36.449,174.625 34.417,172.593 34.417,169.164 36.068,167.513 36.068,164.211 36.83,163.449

## Silkscreen, mask and mechanical layers (free items; w line width, h text height)
Top Overlay:
  lines w0.5: 63.246,108.585 65.786,96.393
  text "AC-L" at 57.28,187.481 h3.5
  text "+12V" at 131.191,179.324 h3.5 r90
  text "AC-N" at 54.486,174.654 h3.5
  text "GND" at 111.419,163.144 h3.5 r315

## Text inside footprints (layer, text, board x,y; h text height)
BR1: Top Overlay "~" at 54.73,137.601 h3 r180; Top Overlay "-" at 61.436,137.318 h3 r180; Top Overlay "~" at 48.05,137.626 h3 r180; Top Overlay "+" at 41.63,136.055 h3 r90
C10: Top Overlay "+" at 96.977,105.258 h1.2
C15: Top Overlay "+" at 73.505,80.264 h2 r180
C18: Top Overlay "+" at 65.052,80.264 h2 r180
C23: Top Overlay "+" at 128.016,87.681 h1.2 r180
C25: Top Overlay "+" at 132.004,107.975 h1.2 r180
U1: Top Overlay "DIP-16" at 108.966,81.153 h1.5 r180